# Allegro board LAY-27392_C.brd (continued)
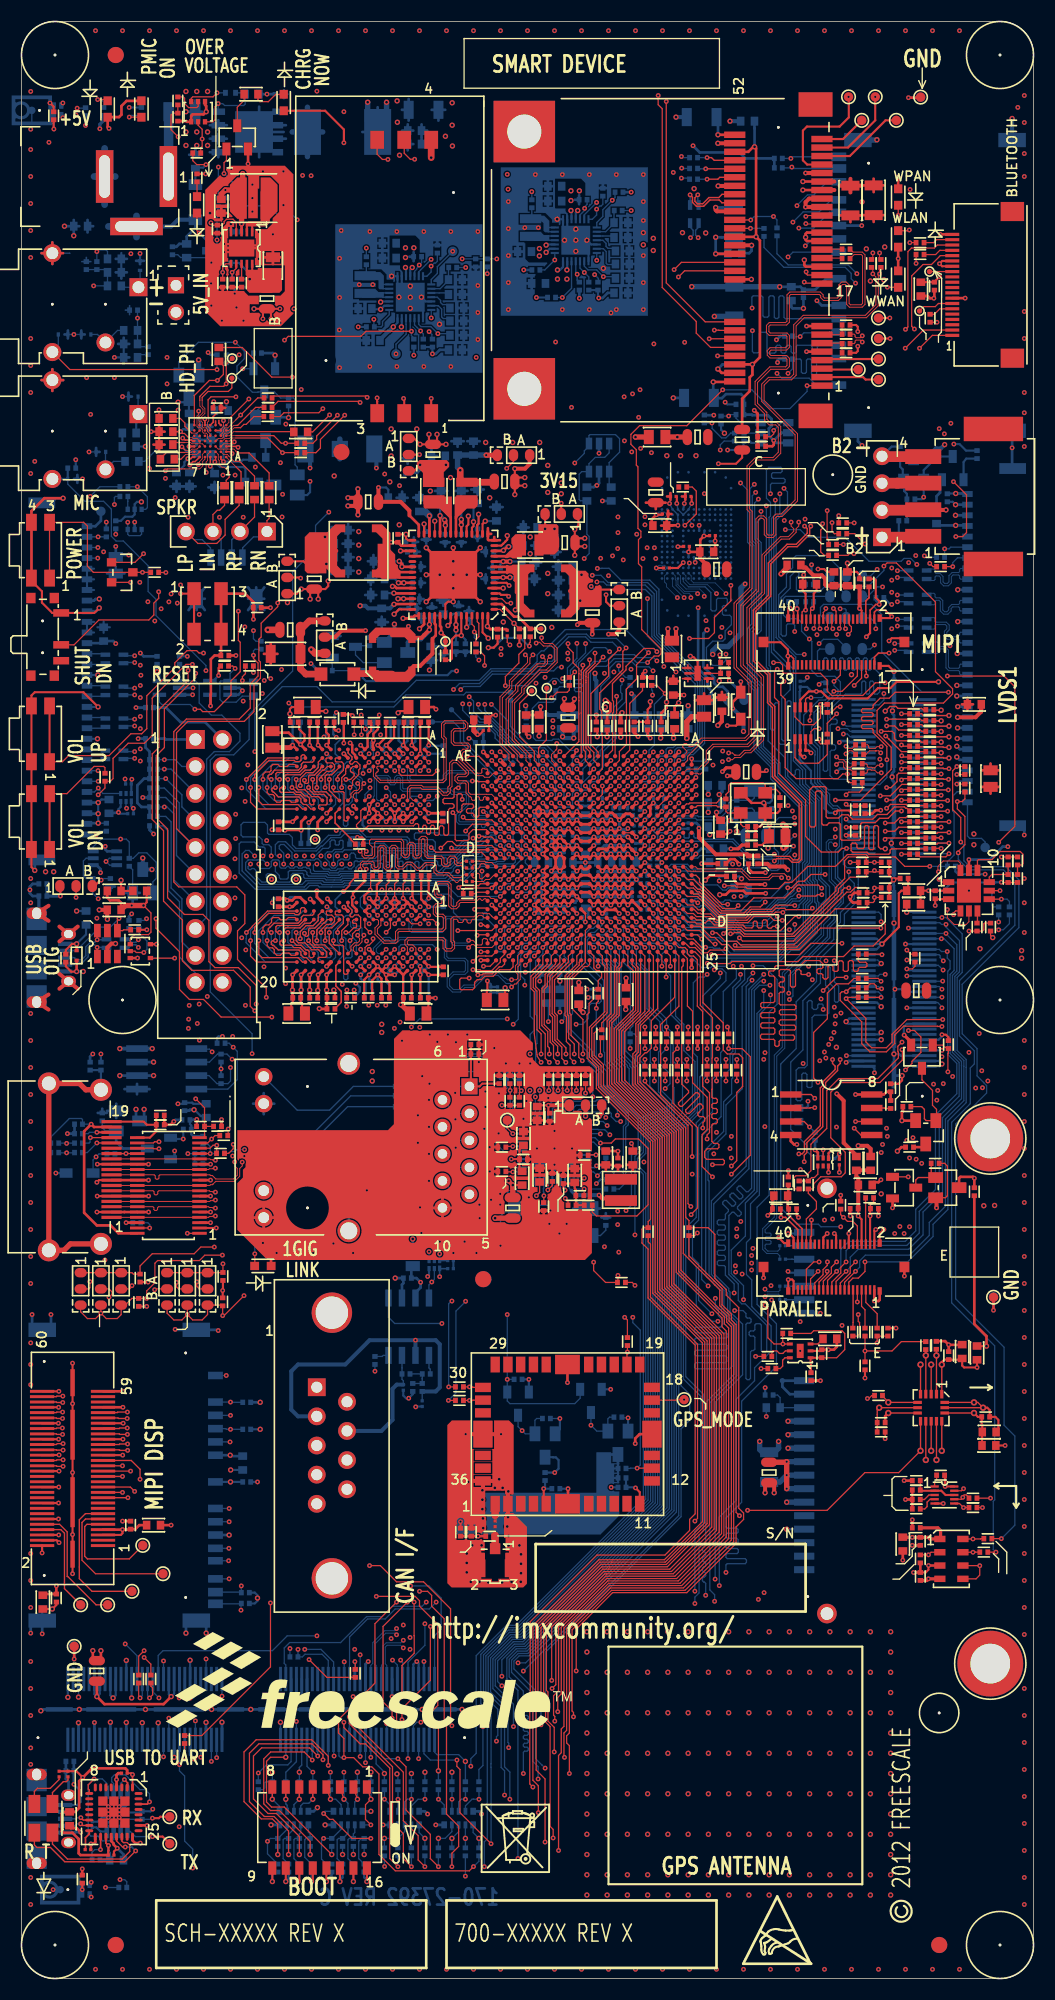
[diagram p0: board, top side]
## Library data of the parts (continued)
R501 = RES: signal model: DEFAULT_RESISTOR_820OHM_2_1
R504 R506 R509 = RES: signal model: DEFAULT_RESISTOR_330OHM_2_1
R505 = RES: signal model: DEFAULT_RESISTOR_2700OHM_2_1
R507 R640-R642 = RES: signal model: DEFAULT_RESISTOR_270OHM_2_1
R525 R552 = RES: signal model: DEFAULT_RESISTOR_20OHM_2_1
R527 R528 = RES: signal model: DEFAULT_RESISTOR_3000OHM_2_1
R529 R545 R571 R572 R643 = RES: signal model: DEFAULT_RESISTOR_200000OHM_2_1
R530 R531 = RES: signal model: DEFAULT_RESISTOR_604OHM_2_1
R540 R601 R620 R630 R658 R677 = RES: signal model: DEFAULT_RESISTOR_100OHM_2_1
R562 R567 = RES: signal model: DEFAULT_RESISTOR_100000OHM_2_1; room: USB_CON
R563 = RES: signal model: DEFAULT_RESISTOR_0.001OHM_2_1; room: RGMII_PHY
R564 = RES: signal model: DEFAULT_RESISTOR_2200OHM_2_1
R576 = RES: signal model: DEFAULT_RESISTOR_16200OHM_2_1
R602 R635 = RES: signal model: DEFAULT_RESISTOR_10000OHM_2_1; room: KEYPAD
R619 = RES: signal model: DEFAULT_RESISTOR_191OHM_2_1
R623 R624 = RES: signal model: DEFAULT_RESISTOR_68000OHM_2_1
R654 = RES: signal model: DEFAULT_RESISTOR_4700OHM_2_1; room: RGMII_PHY
R655 = RES: signal model: DEFAULT_RESISTOR_27000OHM_2_1
R657 = RES: signal model: DEFAULT_RESISTOR_1500OHM_2_1; room: RGMII_PHY
R663 R665 = RES: signal model: DEFAULT_RESISTOR_30OHM_2_1
R678-R693 R695-R710 = RES: signal model: DEFAULT_RESISTOR_4700OHM_2_1; room: ETM
RN500-RN503 = NETW_B8_10P: signal model: NETW_B8_10P_RCA_8_10_DISCRETE_4_10K
RT500 RT501 = THERMISTOR: signal model: DEFAULT_RESISTOR_10000OHM_2_1
SH1-SH3 SH5 SH7-SH9 SH11 SH15-SH17 SH22 SH24-SH26 SH503 = RES_SHORT-2: signal model: RES_SHORT-2_SH0805_40_DISCRETE__SOLDER_SHORT
SH4 SH6 SH10 SH12-SH14 SH23 = RES_SHORT-3_1TO2: Tolerance: X; User Part Number: 470-80018; signal model: RES_SHORT-3_1TO2_SH0603-X2_PIN1_0
SH18-SH21 SH500-SH502 SH504-SH506 = RES_SHORT-2: signal model: DEFAULT_RESISTOR_0.001OHM_2_1
SW1 SW4 SW5 = EDGE_MOUNT_PB_SW_2
SW2 = SW_TACT-SPST-2_SM
SW3 = SW3_RA_SLIDE
SW6 = SW_DIP_8
T1-T75 TP10 TP11 TP13-TP17 TP29-TP32 TP505 TP507 TP509 TP510 = TESTLOOP
TP1-TP9 TP12 TP19-TP26 TP500-TP504 TP506 TP508 = Test pad
TP18 = Test pad: room: CODEC
TP27 TP28 = Test pad: room: ATLAS-AP
TVS1 TVS500-TVS505 = DIODE_TVS_BIDIR
U1 = PCIMX6Q6VV1A
U2-U5 = 2G_DDR3_SDRAM_128MX16_96P
U6 = MAX8815A_TDFN_10P
U7 = WM8962_BGA_49P_CUST
U8 = MMPF0100NPEP_56P
U9 = LTC3025: room: SNVS_BK_PS
U10 = TXB0102
U11 = MAX11801_TQFN_12P
U12 = SRV05-4
U13 = 1G126
U14 = M25P32
U15 U514 U517 = NLSV1T34
U16 = CM2020_TSSOP_38P
U17 = ISL29023
U18 = MMA8451Q_16P_A
U19 = MODULE_AH-1613
U20 = MAG3112_DFN_10P
U21 = PPL3115A2_LGA_8P
U22 = FT232RQ
U501 U521 = ADMP421_LGA5
U502 U503 = MAX8903A_TQFN_28P
U507 U513 = 1G125
U508 = FDC6331L
U509 = FDC6321C
U510 = NC7WZ17
U512 = SDIN5C2_TFBGA_169P
U515 = MIC2526_8P
U516 = AR8031_QFN48
U518 = TJA1040T_SO_8P
U519 = SN74LVC2G126DCTR
Y1 = XTAL_13Y_A
Y500 = XTAL_13Y

## Footprints (pads in the part's own frame, mm; a bottom-side part is the same pattern mirrored in y, then rotated)
0201_CC
  rect 0.305x0.305 smd: 1(-0.267,0) 2(0.267,0)
0402_CC
  rect 0.457x0.508 smd: 1(-0.375,0) 2(0.375,0)
0603_CC
  rect 0.711x0.838 smd: 1(-0.65,0) 2(0.65,0)
0805_CC
  rect 0.94x1.346 smd: 1(-0.78,0) 2(0.78,0)
1206_CC
  rect 0.94x1.702 smd: 1(-1.4,0) 2(1.4,0)
BGA49_0P5_3P62X4
  round 0.254 smd: A1(-1.5,1.5) A2(-1,1.5) A3(-0.5,1.5) A4(0,1.5) A5(0.5,1.5) A6(1,1.5) A7(1.5,1.5) B1(-1.5,1) B2(-1,1) B3(-0.5,1) B4(0,1) B5(0.5,1) B6(1,1) B7(1.5,1) C1(-1.5,0.5) C2(-1,0.5) C3(-0.5,0.5) C4(0,0.5) C5(0.5,0.5) C6(1,0.5) C7(1.5,0.5) D1(-1.5,0) D2(-1,0) D3(-0.5,0) D4(0,0) D5(0.5,0) D6(1,0) D7(1.5,0) E1(-1.5,-0.5) E2(-1,-0.5) E3(-0.5,-0.5) E4(0,-0.5) E5(0.5,-0.5) E6(1,-0.5) E7(1.5,-0.5) F1(-1.5,-1) F2(-1,-1) F3(-0.5,-1) F4(0,-1) F5(0.5,-1) F6(1,-1) F7(1.5,-1) G1(-1.5,-1.5) G2(-1,-1.5) G3(-0.5,-1.5) G4(0,-1.5) G5(0.5,-1.5) G6(1,-1.5) G7(1.5,-1.5)
BGA96_0P8_8P15X14P15
  round 0.356 smd: A1(-3.2,6) A2(-2.4,6) A3(-1.6,6) A7(1.6,6) A8(2.4,6) A9(3.2,6) B1(-3.2,5.2) B2(-2.4,5.2) B3(-1.6,5.2) B7(1.6,5.2) B8(2.4,5.2) B9(3.2,5.2) C1(-3.2,4.4) C2(-2.4,4.4) C3(-1.6,4.4) C7(1.6,4.4) C8(2.4,4.4) C9(3.2,4.4) D1(-3.2,3.6) D2(-2.4,3.6) D3(-1.6,3.6) D7(1.6,3.6) D8(2.4,3.6) D9(3.2,3.6) E1(-3.2,2.8) E2(-2.4,2.8) E3(-1.6,2.8) E7(1.6,2.8) E8(2.4,2.8) E9(3.2,2.8) F1(-3.2,2) F2(-2.4,2) F3(-1.6,2) F7(1.6,2) F8(2.4,2) F9(3.2,2) G1(-3.2,1.2) G2(-2.4,1.2) G3(-1.6,1.2) G7(1.6,1.2) G8(2.4,1.2) G9(3.2,1.2) H1(-3.2,0.4) H2(-2.4,0.4) H3(-1.6,0.4) H7(1.6,0.4) H8(2.4,0.4) H9(3.2,0.4) J1(-3.2,-0.4) J2(-2.4,-0.4) J3(-1.6,-0.4) J7(1.6,-0.4) J8(2.4,-0.4) J9(3.2,-0.4) K1(-3.2,-1.2) K2(-2.4,-1.2) K3(-1.6,-1.2) K7(1.6,-1.2) K8(2.4,-1.2) K9(3.2,-1.2) L1(-3.2,-2) L2(-2.4,-2) L3(-1.6,-2) L7(1.6,-2) L8(2.4,-2) L9(3.2,-2) M1(-3.2,-2.8) M2(-2.4,-2.8) M3(-1.6,-2.8) M7(1.6,-2.8) M8(2.4,-2.8) M9(3.2,-2.8) N1(-3.2,-3.6) N2(-2.4,-3.6) N3(-1.6,-3.6) N7(1.6,-3.6) N8(2.4,-3.6) N9(3.2,-3.6) P1(-3.2,-4.4) P2(-2.4,-4.4) P3(-1.6,-4.4) P7(1.6,-4.4) P8(2.4,-4.4) P9(3.2,-4.4) R1(-3.2,-5.2) R2(-2.4,-5.2) R3(-1.6,-5.2) R7(1.6,-5.2) R8(2.4,-5.2) R9(3.2,-5.2) T1(-3.2,-6) T2(-2.4,-6) T3(-1.6,-6) T7(1.6,-6) T8(2.4,-6) T9(3.2,-6)
BGA169_0P5_12X16
  round 0.254 smd: A4(-1.75,6.75) A6(-0.75,6.75) A9(0.75,6.75) A11(1.75,6.75) AA1(-3.25,-3.25) AA2(-2.75,-3.25) AA3(-2.25,-3.25) AA4(-1.75,-3.25) AA5(-1.25,-3.25) AA6(-0.75,-3.25) AA7(-0.25,-3.25) AA8(0.25,-3.25) AA9(0.75,-3.25) AA10(1.25,-3.25) AA11(1.75,-3.25) AA12(2.25,-3.25) AA13(2.75,-3.25) AA14(3.25,-3.25) AE1(-3.25,-5.25) AE14(3.25,-5.25) AG2(-2.75,-6.25) AG13(2.75,-6.25) AH4(-1.75,-6.75) AH6(-0.75,-6.75) AH9(0.75,-6.75) AH11(1.75,-6.75) B2(-2.75,6.25) B13(2.75,6.25) D1(-3.25,5.25) D14(3.25,5.25) H1(-3.25,3.25) H2(-2.75,3.25) H3(-2.25,3.25) H4(-1.75,3.25) H5(-1.25,3.25) H6(-0.75,3.25) H7(-0.25,3.25) H8(0.25,3.25) H9(0.75,3.25) H10(1.25,3.25) H11(1.75,3.25) H12(2.25,3.25) H13(2.75,3.25) H14(3.25,3.25) J1(-3.25,2.75) J2(-2.75,2.75) J3(-2.25,2.75) J4(-1.75,2.75) J5(-1.25,2.75) J6(-0.75,2.75) J7(-0.25,2.75) J8(0.25,2.75) J9(0.75,2.75) J10(1.25,2.75) J11(1.75,2.75) J12(2.25,2.75) J13(2.75,2.75) J14(3.25,2.75) K1(-3.25,2.25) K2(-2.75,2.25) K3(-2.25,2.25) K4(-1.75,2.25) K5(-1.25,2.25) K6(-0.75,2.25) K7(-0.25,2.25) K8(0.25,2.25) K9(0.75,2.25) K10(1.25,2.25) K11(1.75,2.25) K12(2.25,2.25) K13(2.75,2.25) K14(3.25,2.25) L1(-3.25,1.75) L2(-2.75,1.75) L3(-2.25,1.75) L4(-1.75,1.75) L12(2.25,1.75) L13(2.75,1.75) L14(3.25,1.75) M1(-3.25,1.25) M2(-2.75,1.25) M3(-2.25,1.25) M5(-1.25,1.25) M6(-0.75,1.25) M7(-0.25,1.25) M8(0.25,1.25) M9(0.75,1.25) M10(1.25,1.25) M12(2.25,1.25) M13(2.75,1.25) M14(3.25,1.25) N1(-3.25,0.75) N2(-2.75,0.75) N3(-2.25,0.75) N5(-1.25,0.75) N10(1.25,0.75) N12(2.25,0.75) N13(2.75,0.75) N14(3.25,0.75) P1(-3.25,0.25) P2(-2.75,0.25) P3(-2.25,0.25) P5(-1.25,0.25) P10(1.25,0.25) P12(2.25,0.25) P13(2.75,0.25) P14(3.25,0.25) R1(-3.25,-0.25) R2(-2.75,-0.25) R3(-2.25,-0.25) R5(-1.25,-0.25) R10(1.25,-0.25) R12(2.25,-0.25) R13(2.75,-0.25) R14(3.25,-0.25) T1(-3.25,-0.75) T2(-2.75,-0.75) T3(-2.25,-0.75) T5(-1.25,-0.75) T10(1.25,-0.75) T12(2.25,-0.75) T13(2.75,-0.75) T14(3.25,-0.75) U1(-3.25,-1.25) U2(-2.75,-1.25) U3(-2.25,-1.25) U5(-1.25,-1.25) U6(-0.75,-1.25) U7(-0.25,-1.25) U8(0.25,-1.25) U9(0.75,-1.25) U10(1.25,-1.25) U12(2.25,-1.25) U13(2.75,-1.25) U14(3.25,-1.25) V1(-3.25,-1.75) V2(-2.75,-1.75) V3(-2.25,-1.75) V12(2.25,-1.75) V13(2.75,-1.75) V14(3.25,-1.75) W1(-3.25,-2.25) W2(-2.75,-2.25) W3(-2.25,-2.25) W4(-1.75,-2.25) W5(-1.25,-2.25) W6(-0.75,-2.25) W7(-0.25,-2.25) W8(0.25,-2.25) W9(0.75,-2.25) W10(1.25,-2.25) W11(1.75,-2.25) W12(2.25,-2.25) W13(2.75,-2.25) W14(3.25,-2.25) Y1(-3.25,-2.75) Y2(-2.75,-2.75) Y3(-2.25,-2.75) Y4(-1.75,-2.75) Y5(-1.25,-2.75) Y6(-0.75,-2.75) Y7(-0.25,-2.75) Y8(0.25,-2.75) Y9(0.75,-2.75) Y10(1.25,-2.75) Y11(1.75,-2.75) Y12(2.25,-2.75) Y13(2.75,-2.75) Y14(3.25,-2.75)
BGA624_0P8_21X21
  round 0.406 smd: A2(-8.8,9.6) A3(-8,9.6) A4(-7.2,9.6) A5(-6.4,9.6) A6(-5.6,9.6) A7(-4.8,9.6) A8(-4,9.6) A9(-3.2,9.6) A10(-2.4,9.6) A11(-1.6,9.6) A12(-0.8,9.6) A13(0,9.6) A14(0.8,9.6) A15(1.6,9.6) A16(2.4,9.6) A17(3.2,9.6) A18(4,9.6) A19(4.8,9.6) A20(5.6,9.6) A21(6.4,9.6) A22(7.2,9.6) A23(8,9.6) A24(8.8,9.6) A25(9.6,9.6) AA1(-9.6,-6.4) AA2(-8.8,-6.4) AA3(-8,-6.4) AA4(-7.2,-6.4) AA5(-6.4,-6.4) AA6(-5.6,-6.4) AA7(-4.8,-6.4) AA8(-4,-6.4) AA9(-3.2,-6.4) AA10(-2.4,-6.4) AA11(-1.6,-6.4) AA12(-0.8,-6.4) AA13(0,-6.4) AA14(0.8,-6.4) AA15(1.6,-6.4) AA16(2.4,-6.4) AA17(3.2,-6.4) AA18(4,-6.4) AA19(4.8,-6.4) AA20(5.6,-6.4) AA21(6.4,-6.4) AA22(7.2,-6.4) AA23(8,-6.4) AA24(8.8,-6.4) AA25(9.6,-6.4) AB1(-9.6,-7.2) AB2(-8.8,-7.2) AB3(-8,-7.2) AB4(-7.2,-7.2) AB5(-6.4,-7.2) AB6(-5.6,-7.2) AB7(-4.8,-7.2) AB8(-4,-7.2) AB9(-3.2,-7.2) AB10(-2.4,-7.2) AB11(-1.6,-7.2) AB12(-0.8,-7.2) AB13(0,-7.2) AB14(0.8,-7.2) AB15(1.6,-7.2) AB16(2.4,-7.2) AB17(3.2,-7.2) AB18(4,-7.2) AB19(4.8,-7.2) AB20(5.6,-7.2) AB21(6.4,-7.2) AB22(7.2,-7.2) AB23(8,-7.2) AB24(8.8,-7.2) AB25(9.6,-7.2) AC1(-9.6,-8) AC2(-8.8,-8) AC3(-8,-8) AC4(-7.2,-8) AC5(-6.4,-8) AC6(-5.6,-8) AC7(-4.8,-8) AC8(-4,-8) AC9(-3.2,-8) AC10(-2.4,-8) AC11(-1.6,-8) AC12(-0.8,-8) AC13(0,-8) AC14(0.8,-8) AC15(1.6,-8) AC16(2.4,-8) AC17(3.2,-8) AC18(4,-8) AC19(4.8,-8) AC20(5.6,-8) AC21(6.4,-8) AC22(7.2,-8) AC23(8,-8) AC24(8.8,-8) AC25(9.6,-8) AD1(-9.6,-8.8) AD2(-8.8,-8.8) AD3(-8,-8.8) AD4(-7.2,-8.8) AD5(-6.4,-8.8) AD6(-5.6,-8.8) AD7(-4.8,-8.8) AD8(-4,-8.8) AD9(-3.2,-8.8) AD10(-2.4,-8.8) AD11(-1.6,-8.8) AD12(-0.8,-8.8) AD13(0,-8.8) AD14(0.8,-8.8) AD15(1.6,-8.8) AD16(2.4,-8.8) AD17(3.2,-8.8) AD18(4,-8.8) AD19(4.8,-8.8) AD20(5.6,-8.8) AD21(6.4,-8.8) AD22(7.2,-8.8) AD23(8,-8.8) AD24(8.8,-8.8) AD25(9.6,-8.8) AE1(-9.6,-9.6) AE2(-8.8,-9.6) AE3(-8,-9.6) AE4(-7.2,-9.6) AE5(-6.4,-9.6) AE6(-5.6,-9.6) AE7(-4.8,-9.6) AE8(-4,-9.6) AE9(-3.2,-9.6) AE10(-2.4,-9.6) AE11(-1.6,-9.6) AE12(-0.8,-9.6) AE13(0,-9.6) AE14(0.8,-9.6) AE15(1.6,-9.6) AE16(2.4,-9.6) AE17(3.2,-9.6) AE18(4,-9.6) AE19(4.8,-9.6) AE20(5.6,-9.6) AE21(6.4,-9.6) AE22(7.2,-9.6) AE23(8,-9.6) AE24(8.8,-9.6) AE25(9.6,-9.6) B1(-9.6,8.8) B2(-8.8,8.8) B3(-8,8.8) B4(-7.2,8.8) B5(-6.4,8.8) B6(-5.6,8.8) B7(-4.8,8.8) B8(-4,8.8) B9(-3.2,8.8) B10(-2.4,8.8) B11(-1.6,8.8) B12(-0.8,8.8) B13(0,8.8) B14(0.8,8.8) B15(1.6,8.8) B16(2.4,8.8) B17(3.2,8.8) B18(4,8.8) B19(4.8,8.8) B20(5.6,8.8) B21(6.4,8.8) B22(7.2,8.8) B23(8,8.8) B24(8.8,8.8) B25(9.6,8.8) C1(-9.6,8) C2(-8.8,8) C3(-8,8) C4(-7.2,8) C5(-6.4,8) C6(-5.6,8) C7(-4.8,8) C8(-4,8) C9(-3.2,8) C10(-2.4,8) C11(-1.6,8) C12(-0.8,8) C13(0,8) C14(0.8,8) C15(1.6,8) C16(2.4,8) C17(3.2,8) C18(4,8) C19(4.8,8) C20(5.6,8) C21(6.4,8) C22(7.2,8) C23(8,8) C24(8.8,8) C25(9.6,8) D1(-9.6,7.2) D2(-8.8,7.2) D3(-8,7.2) D4(-7.2,7.2) D5(-6.4,7.2) D6(-5.6,7.2) D7(-4.8,7.2) D8(-4,7.2) D9(-3.2,7.2) D10(-2.4,7.2) D11(-1.6,7.2) D12(-0.8,7.2) D13(0,7.2) D14(0.8,7.2) D15(1.6,7.2) D16(2.4,7.2) D17(3.2,7.2) D18(4,7.2) D19(4.8,7.2) D20(5.6,7.2) D21(6.4,7.2) D22(7.2,7.2) D23(8,7.2) D24(8.8,7.2) D25(9.6,7.2) E1(-9.6,6.4) E2(-8.8,6.4) E3(-8,6.4) E4(-7.2,6.4) E5(-6.4,6.4) E6(-5.6,6.4) E7(-4.8,6.4) E8(-4,6.4) E9(-3.2,6.4) E10(-2.4,6.4) E11(-1.6,6.4) E12(-0.8,6.4) E13(0,6.4) E14(0.8,6.4) E15(1.6,6.4) E16(2.4,6.4) E17(3.2,6.4) E18(4,6.4) E19(4.8,6.4) E20(5.6,6.4) E21(6.4,6.4) E22(7.2,6.4) E23(8,6.4) E24(8.8,6.4) E25(9.6,6.4) F1(-9.6,5.6) F2(-8.8,5.6) F3(-8,5.6) F4(-7.2,5.6) F5(-6.4,5.6) F6(-5.6,5.6) F7(-4.8,5.6) F8(-4,5.6) F9(-3.2,5.6) F10(-2.4,5.6) F11(-1.6,5.6) F12(-0.8,5.6) F13(0,5.6) F14(0.8,5.6) F15(1.6,5.6) F16(2.4,5.6) F17(3.2,5.6) F18(4,5.6) F19(4.8,5.6) F20(5.6,5.6) F21(6.4,5.6) F22(7.2,5.6) F23(8,5.6) F24(8.8,5.6) F25(9.6,5.6) G1(-9.6,4.8) G2(-8.8,4.8) G3(-8,4.8) G4(-7.2,4.8) G5(-6.4,4.8) G6(-5.6,4.8) G7(-4.8,4.8) G8(-4,4.8) G9(-3.2,4.8) G10(-2.4,4.8) G11(-1.6,4.8) G12(-0.8,4.8) G13(0,4.8) G14(0.8,4.8) G15(1.6,4.8) G16(2.4,4.8) G17(3.2,4.8) G18(4,4.8) G19(4.8,4.8) G20(5.6,4.8) G21(6.4,4.8) G22(7.2,4.8) G23(8,4.8) G24(8.8,4.8) G25(9.6,4.8) H1(-9.6,4) H2(-8.8,4) H3(-8,4) H4(-7.2,4) H5(-6.4,4) H6(-5.6,4) H7(-4.8,4) H8(-4,4) H9(-3.2,4) H10(-2.4,4) H11(-1.6,4) H12(-0.8,4) H13(0,4) H14(0.8,4) H15(1.6,4) H16(2.4,4) H17(3.2,4) H18(4,4) H19(4.8,4) H20(5.6,4) H21(6.4,4) H22(7.2,4) H23(8,4) H24(8.8,4) H25(9.6,4) J1(-9.6,3.2) J2(-8.8,3.2) J3(-8,3.2) J4(-7.2,3.2) J5(-6.4,3.2) J6(-5.6,3.2) J7(-4.8,3.2) J8(-4,3.2) J9(-3.2,3.2) J10(-2.4,3.2) J11(-1.6,3.2) J12(-0.8,3.2) J13(0,3.2) J14(0.8,3.2) J15(1.6,3.2) J16(2.4,3.2) J17(3.2,3.2) J18(4,3.2) J19(4.8,3.2) J20(5.6,3.2) J21(6.4,3.2) J22(7.2,3.2) J23(8,3.2) J24(8.8,3.2) J25(9.6,3.2) K1(-9.6,2.4) K2(-8.8,2.4) K3(-8,2.4) K4(-7.2,2.4) K5(-6.4,2.4) K6(-5.6,2.4) K7(-4.8,2.4) K8(-4,2.4) K9(-3.2,2.4) K10(-2.4,2.4) K11(-1.6,2.4) K12(-0.8,2.4) K13(0,2.4) K14(0.8,2.4) K15(1.6,2.4) K16(2.4,2.4) K17(3.2,2.4) K18(4,2.4) K19(4.8,2.4) K20(5.6,2.4) K21(6.4,2.4) K22(7.2,2.4) K23(8,2.4) K24(8.8,2.4) K25(9.6,2.4) L1(-9.6,1.6) L2(-8.8,1.6) L3(-8,1.6) L4(-7.2,1.6) L5(-6.4,1.6) L6(-5.6,1.6) L7(-4.8,1.6) L8(-4,1.6) L9(-3.2,1.6) L10(-2.4,1.6) L11(-1.6,1.6) L12(-0.8,1.6) L13(0,1.6) L14(0.8,1.6) L15(1.6,1.6) L16(2.4,1.6) L17(3.2,1.6) L18(4,1.6) L19(4.8,1.6) L20(5.6,1.6) L21(6.4,1.6) L22(7.2,1.6) L23(8,1.6) L24(8.8,1.6) L25(9.6,1.6) M1(-9.6,0.8) M2(-8.8,0.8) M3(-8,0.8) M4(-7.2,0.8) M5(-6.4,0.8) M6(-5.6,0.8) M7(-4.8,0.8) M8(-4,0.8) M9(-3.2,0.8) M10(-2.4,0.8) M11(-1.6,0.8) M12(-0.8,0.8) M13(0,0.8) M14(0.8,0.8) M15(1.6,0.8) M16(2.4,0.8) M17(3.2,0.8) M18(4,0.8) M19(4.8,0.8) M20(5.6,0.8) M21(6.4,0.8) M22(7.2,0.8) M23(8,0.8) M24(8.8,0.8) M25(9.6,0.8) N1(-9.6,0) N2(-8.8,0) N3(-8,0) N4(-7.2,0) N5(-6.4,0) N6(-5.6,0) N7(-4.8,0) N8(-4,0) N9(-3.2,0) N10(-2.4,0) N11(-1.6,0) N12(-0.8,0) N13(0,0) N14(0.8,0) N15(1.6,0) N16(2.4,0) N17(3.2,0) N18(4,0) N19(4.8,0) N20(5.6,0) N21(6.4,0) N22(7.2,0) N23(8,0) N24(8.8,0) N25(9.6,0) P1(-9.6,-0.8) P2(-8.8,-0.8) P3(-8,-0.8) P4(-7.2,-0.8) P5(-6.4,-0.8) P6(-5.6,-0.8) P7(-4.8,-0.8) P8(-4,-0.8) P9(-3.2,-0.8) P10(-2.4,-0.8) P11(-1.6,-0.8) P12(-0.8,-0.8) P13(0,-0.8) P14(0.8,-0.8) P15(1.6,-0.8) P16(2.4,-0.8) P17(3.2,-0.8) P18(4,-0.8) P19(4.8,-0.8) P20(5.6,-0.8) P21(6.4,-0.8) P22(7.2,-0.8) P23(8,-0.8) P24(8.8,-0.8) P25(9.6,-0.8) R1(-9.6,-1.6) R2(-8.8,-1.6) R3(-8,-1.6) R4(-7.2,-1.6) R5(-6.4,-1.6) R6(-5.6,-1.6) R7(-4.8,-1.6) R8(-4,-1.6) R9(-3.2,-1.6) R10(-2.4,-1.6) R11(-1.6,-1.6) R12(-0.8,-1.6) R13(0,-1.6) R14(0.8,-1.6) R15(1.6,-1.6) R16(2.4,-1.6) R17(3.2,-1.6) R18(4,-1.6) R19(4.8,-1.6) R20(5.6,-1.6) R21(6.4,-1.6) R22(7.2,-1.6) R23(8,-1.6) R24(8.8,-1.6) R25(9.6,-1.6) T1(-9.6,-2.4) T2(-8.8,-2.4) T3(-8,-2.4) T4(-7.2,-2.4) T5(-6.4,-2.4) T6(-5.6,-2.4) T7(-4.8,-2.4) T8(-4,-2.4) T9(-3.2,-2.4) T10(-2.4,-2.4) T11(-1.6,-2.4) T12(-0.8,-2.4) T13(0,-2.4) T14(0.8,-2.4) T15(1.6,-2.4) T16(2.4,-2.4) T17(3.2,-2.4) T18(4,-2.4) T19(4.8,-2.4) T20(5.6,-2.4) T21(6.4,-2.4) T22(7.2,-2.4) T23(8,-2.4) T24(8.8,-2.4) T25(9.6,-2.4) U1(-9.6,-3.2) U2(-8.8,-3.2) U3(-8,-3.2) U4(-7.2,-3.2) U5(-6.4,-3.2) U6(-5.6,-3.2) U7(-4.8,-3.2) U8(-4,-3.2) U9(-3.2,-3.2) U10(-2.4,-3.2) U11(-1.6,-3.2) U12(-0.8,-3.2) U13(0,-3.2) U14(0.8,-3.2) U15(1.6,-3.2) U16(2.4,-3.2) U17(3.2,-3.2) U18(4,-3.2) U19(4.8,-3.2) U20(5.6,-3.2) U21(6.4,-3.2) U22(7.2,-3.2) U23(8,-3.2) U24(8.8,-3.2) U25(9.6,-3.2) V1(-9.6,-4) V2(-8.8,-4) V3(-8,-4) V4(-7.2,-4) V5(-6.4,-4) V6(-5.6,-4) V7(-4.8,-4) V8(-4,-4) V9(-3.2,-4) V10(-2.4,-4) V11(-1.6,-4) V12(-0.8,-4) V13(0,-4) V14(0.8,-4) V15(1.6,-4) V16(2.4,-4) V17(3.2,-4) V18(4,-4) V19(4.8,-4) V20(5.6,-4) V21(6.4,-4) V22(7.2,-4) V23(8,-4) V24(8.8,-4) V25(9.6,-4) W1(-9.6,-4.8) W2(-8.8,-4.8) W3(-8,-4.8) W4(-7.2,-4.8) W5(-6.4,-4.8) W6(-5.6,-4.8) W7(-4.8,-4.8) W8(-4,-4.8) W9(-3.2,-4.8) W10(-2.4,-4.8) W11(-1.6,-4.8) W12(-0.8,-4.8) W13(0,-4.8) W14(0.8,-4.8) W15(1.6,-4.8) W16(2.4,-4.8) W17(3.2,-4.8) W18(4,-4.8) W19(4.8,-4.8) W20(5.6,-4.8) W21(6.4,-4.8) W22(7.2,-4.8) W23(8,-4.8) W24(8.8,-4.8) W25(9.6,-4.8) Y1(-9.6,-5.6) Y2(-8.8,-5.6) Y3(-8,-5.6) Y4(-7.2,-5.6) Y5(-6.4,-5.6) Y6(-5.6,-5.6) Y7(-4.8,-5.6) Y8(-4,-5.6) Y9(-3.2,-5.6) Y10(-2.4,-5.6) Y11(-1.6,-5.6) Y12(-0.8,-5.6) Y13(0,-5.6) Y14(0.8,-5.6) Y15(1.6,-5.6) Y16(2.4,-5.6) Y17(3.2,-5.6) Y18(4,-5.6) Y19(4.8,-5.6) Y20(5.6,-5.6) Y21(6.4,-5.6) Y22(7.2,-5.6) Y23(8,-5.6) Y24(8.8,-5.6) Y25(9.6,-5.6)
C035S
  round 0.889 smd: 1(0,0)
CON3_VER_SMT
  rect 1.041x0.991 smd: 1(1.525,0)
  rect 2.21x1.041 smd: 2(0,1.475) 3(0,-1.475)
CON5_AUD_JACK_RA_TH_SJ-43514
  round 0.254 hole 1.092 unplated: (-8.1,-1.6) (-3.1,-1.6)
  rect 1.702x1.702 hole 1.118: 1(0,0)
  round 1.702 hole 1.118: 4(-3.1,-5.2) 5(-8.1,3.2) 6(-8.1,-6.1)
CON5_MICROUSB
  rect 1.803x1.905 smd: (-1.15,0) (1.15,0)
  rect 0.406x1.346 smd: 1(-1.3,2.675) 2(-0.65,2.675) 3(0,2.675) 4(0.65,2.675) 5(1.3,2.675)
  oval 1.067x1.397 hole 0.762x0.864: S1(-2.225,3) S2(2.225,3)
  oval 1.092x1.905 hole 1.499x0.838: S3(-4.175,0) S4(4.175,0)
CON19_SDCARD_28X16_SM
  round 0.254 hole 1.422 unplated: (-11.5,6.25) (11.5,6.25)
  rect 0.711x1.397 smd: 1(6.88,9.05) 2(4.38,9.05) 3(1.88,9.05) 4(-0.63,9.05) 5(-3.13,9.05) 6(-5.63,9.05) 7(-8.05,9.05) 8(-9.75,9.05) 9(9.38,9.05) 10(5.63,9.05) 11(3.13,9.05) 12(-4.38,9.05) 13(-6.88,9.05)
  rect 0.813x1.397 smd: 14(-11,9.05) 15(-12.1,9.05)
  rect 1.346x2.591 smd: 16(-13.675,7.25) 17(-13.675,-7.25) 18(13.675,-7.25) 19(13.675,7.25)
CON20_FH28_SM
  rect 1.803x2.21 smd: (-6.9,-2.05) (6.9,-2.05)
  rect 0.305x1.321 smd: 1(-4.75,3.6) 2(-4.25,3.6) 3(-3.75,3.6) 4(-3.25,3.6) 5(-2.75,3.6) 6(-2.25,3.6) 7(-1.75,3.6) 8(-1.25,3.6) 9(-0.75,3.6) 10(-0.25,3.6) 11(0.25,3.6) 12(0.75,3.6) 13(1.25,3.6) 14(1.75,3.6) 15(2.25,3.6) 16(2.75,3.6) 17(3.25,3.6) 18(3.75,3.6) 19(4.25,3.6) 20(4.75,3.6)
CON_2X26_0P8_SMT_A
  rect 2.311x3.2 smd: (-14.65,3.5) (14.65,3.5)
  round 0.254 hole 1.118 unplated: (-12.5,0)
  rect 5.791x5.791 hole 3.2: (-12.1,-23.9) (12.1,-23.9)
  round 0.254 hole 1.6 unplated: (12.5,0)
  rect 0.61x2.007 smd: 1(11.8,4.1) 2(11.4,-4.1) 3(11,4.1) 4(10.6,-4.1) 5(10.2,4.1) 6(9.8,-4.1) 7(9.4,4.1) 8(9,-4.1) 9(8.6,4.1) 10(8.2,-4.1) 11(7.8,4.1) 12(7.4,-4.1) 13(7,4.1) 14(6.6,-4.1) 15(6.2,4.1) 16(5.8,-4.1) 17(2.2,4.1) 18(1.8,-4.1) 19(1.4,4.1) 20(1,-4.1) 21(0.6,4.1) 22(0.2,-4.1) 23(-0.2,4.1) 24(-0.6,-4.1) 25(-1,4.1) 26(-1.4,-4.1) 27(-1.8,4.1) 28(-2.2,-4.1) 29(-2.6,4.1) 30(-3,-4.1) 31(-3.4,4.1) 32(-3.8,-4.1) 33(-4.2,4.1) 34(-4.6,-4.1) 35(-5,4.1) 36(-5.4,-4.1) 37(-5.8,4.1) 38(-6.2,-4.1) 39(-6.6,4.1) 40(-7,-4.1) 41(-7.4,4.1) 42(-7.8,-4.1) 43(-8.2,4.1) 44(-8.6,-4.1) 45(-9,4.1) 46(-9.4,-4.1) 47(-9.8,4.1) 48(-10.2,-4.1) 49(-10.6,4.1) 50(-11,-4.1) 51(-11.4,4.1) 52(-11.8,-4.1)
CON_4M_1MM_SM_RA
  rect 0.61x1.549 smd: 1(-1.5,2.625) 2(-0.5,2.625) 3(0.5,2.625) 4(1.5,2.625)
  rect 1.194x1.803 smd: 5(-2.8,-1.25) 6(2.8,-1.25)
CON_60S_QSH_SM_A
  round 0.254 hole 1.016 unplated: (-10.067,2.667) (10.067,2.667)
  rect 0.279x2.286 smd: 1(-7.256,-2.865) 2(-7.256,2.865) 3(-6.755,-2.865) 4(-6.755,2.865) 5(-6.255,-2.865) 6(-6.255,2.865) 7(-5.754,-2.865) 8(-5.754,2.865) 9(-5.254,-2.865) 10(-5.254,2.865) 11(-4.754,-2.865) 12(-4.754,2.865) 13(-4.253,-2.865) 14(-4.253,2.865) 15(-3.753,-2.865) 16(-3.753,2.865) 17(-3.252,-2.865) 18(-3.252,2.865) 19(-2.752,-2.865) 20(-2.752,2.865) 21(-2.252,-2.865) 22(-2.252,2.865) 23(-1.751,-2.865) 24(-1.751,2.865) 25(-1.251,-2.865) 26(-1.251,2.865) 27(-0.751,-2.865) 28(-0.751,2.865) 29(-0.25,-2.865) 30(-0.25,2.865) 31(0.25,-2.865) 32(0.25,2.865) 33(0.751,-2.865) 34(0.751,2.865) 35(1.251,-2.865) 36(1.251,2.865) 37(1.751,-2.865) 38(1.751,2.865) 39(2.252,-2.865) 40(2.252,2.865) 41(2.752,-2.865) 42(2.752,2.865) 43(3.252,-2.865) 44(3.252,2.865) 45(3.753,-2.865) 46(3.753,2.865) 47(4.253,-2.865) 48(4.253,2.865) 49(4.754,-2.865) 50(4.754,2.865) 51(5.254,-2.865) 52(5.254,2.865) 53(5.754,-2.865) 54(5.754,2.865) 55(6.255,-2.865) 56(6.255,2.865) 57(6.755,-2.865) 58(6.755,2.865) 59(7.256,-2.865) 60(7.256,2.865)
  rect 2.54x0.432 smd: SH1(-8.065,0) SH4(8.065,0)
  rect 4.699x0.432 smd: SH2(-3.175,0) SH3(3.175,0)
CON_120S_QSH_SM_05PITCH
  round 0.254 hole 1.016 unplated: (-20.06,2.66) (20.07,2.66)
  rect 0.279x2.286 smd: 1(-17.25,-2.86) 2(-17.25,2.86) 3(-16.75,-2.86) 4(-16.75,2.86) 5(-16.25,-2.86) 6(-16.25,2.86) 7(-15.75,-2.86) 8(-15.75,2.86) 9(-15.25,-2.86) 10(-15.25,2.86) 11(-14.75,-2.86) 12(-14.75,2.86) 13(-14.25,-2.86) 14(-14.25,2.86) 15(-13.75,-2.86) 16(-13.75,2.86) 17(-13.25,-2.86) 18(-13.25,2.86) 19(-12.75,-2.86) 20(-12.75,2.86) 21(-12.25,-2.86) 22(-12.25,2.86) 23(-11.75,-2.86) 24(-11.75,2.86) 25(-11.25,-2.86) 26(-11.25,2.86) 27(-10.75,-2.86) 28(-10.75,2.86) 29(-10.25,-2.86) 30(-10.25,2.86) 31(-9.75,-2.86) 32(-9.75,2.86) 33(-9.25,-2.86) 34(-9.25,2.86) 35(-8.75,-2.86) 36(-8.75,2.86) 37(-8.25,-2.86) 38(-8.25,2.86) 39(-7.75,-2.86) 40(-7.75,2.86) 41(-7.25,-2.86) 42(-7.25,2.86) 43(-6.75,-2.86) 44(-6.75,2.86) 45(-6.25,-2.86) 46(-6.25,2.86) 47(-5.75,-2.86) 48(-5.75,2.86) 49(-5.25,-2.86) 50(-5.25,2.86) 51(-4.75,-2.86) 52(-4.75,2.86) 53(-4.25,-2.86) 54(-4.25,2.86) 55(-3.75,-2.86) 56(-3.75,2.86) 57(-3.25,-2.86) 58(-3.25,2.86) 59(-2.75,-2.86) 60(-2.75,2.86) 61(2.75,-2.86) 62(2.75,2.86) 63(3.25,-2.86) 64(3.25,2.86) 65(3.75,-2.86) 66(3.75,2.86) 67(4.25,-2.86) 68(4.25,2.86) 69(4.75,-2.86) 70(4.75,2.86) 71(5.25,-2.86) 72(5.25,2.86) 73(5.75,-2.86) 74(5.75,2.86) 75(6.25,-2.86) 76(6.25,2.86) 77(6.75,-2.86) 78(6.75,2.86) 79(7.25,-2.86) 80(7.25,2.86) 81(7.75,-2.86) 82(7.75,2.86) 83(8.25,-2.86) 84(8.25,2.86) 85(8.75,-2.86) 86(8.75,2.86) 87(9.25,-2.86) 88(9.25,2.86) 89(9.75,-2.86) 90(9.75,2.86) 91(10.25,-2.86) 92(10.25,2.86) 93(10.75,-2.86) 94(10.75,2.86) 95(11.25,-2.86) 96(11.25,2.86) 97(11.75,-2.86) 98(11.75,2.86) 99(12.25,-2.86) 100(12.25,2.86) 101(12.75,-2.86) 102(12.75,2.86) 103(13.25,-2.86) 104(13.25,2.86) 105(13.75,-2.86) 106(13.75,2.86) 107(14.25,-2.86) 108(14.25,2.86) 109(14.75,-2.86) 110(14.75,2.86) 111(15.25,-2.86) 112(15.25,2.86) 113(15.75,-2.86) 114(15.75,2.86) 115(16.25,-2.86) 116(16.25,2.86) 117(16.75,-2.86) 118(16.75,2.86) 119(17.25,-2.86) 120(17.25,2.86)
  rect 2.54x0.432 smd: SH1(-18.055,0) SH4(-1.935,0) SH5(1.935,0) SH8(18.055,0)
  rect 4.699x0.432 smd: SH2(-13.17,0) SH3(-6.82,0) SH6(6.82,0) SH7(13.17,0)
CON_BBC_40P_0P4_SM
  rect 0.889x0.229 smd: 1(2.15,3.8) 2(-2.15,3.8) 3(2.15,3.4) 4(-2.15,3.4) 5(2.15,3) 6(-2.15,3) 7(2.15,2.6) 8(-2.15,2.6) 9(2.15,2.2) 10(-2.15,2.2) 11(2.15,1.8) 12(-2.15,1.8) 13(2.15,1.4) 14(-2.15,1.4) 15(2.15,1) 16(-2.15,1) 17(2.15,0.6) 18(-2.15,0.6) 19(2.15,0.2) 20(-2.15,0.2) 21(2.15,-0.2) 22(-2.15,-0.2) 23(2.15,-0.6) 24(-2.15,-0.6) 25(2.15,-1) 26(-2.15,-1) 27(2.15,-1.4) 28(-2.15,-1.4) 29(2.15,-1.8) 30(-2.15,-1.8) 31(2.15,-2.2) 32(-2.15,-2.2) 33(2.15,-2.6) 34(-2.15,-2.6) 35(2.15,-3) 36(-2.15,-3) 37(2.15,-3.4) 38(-2.15,-3.4) 39(2.15,-3.8) 40(-2.15,-3.8)
  rect 0.711x0.406 smd: 41(2.25,4.3) 42(-2.25,4.3) 43(2.25,-4.3) 44(-2.25,-4.3)
  rect 0.991x0.94 smd: 45(0,-6.625) 46(0,6.625)
CON_DB_9F_2P74_TH
  rect 1.676x1.676 hole 1.041: 1(0,0)
  round 1.676 hole 1.041: 2(0,2.743) 3(0,5.486) 4(0,8.23) 5(0,10.973) 6(-2.845,1.372) 7(-2.845,4.115) 8(-2.845,6.858) 9(-2.845,9.601)
  round 3.81 hole 3.048: M1(-1.422,-7.01) M2(-1.422,17.983)
CON_DF_30F_1MM_SM_RA
  rect 0.559x0.991 smd: 1(-14.4,2.5) 2(-13.4,2.5) 3(-12.4,2.5) 4(-11.4,2.5) 5(-10.4,2.5) 6(-9.4,2.5) 7(-8.4,2.5) 8(-7.4,2.5) 9(-6.4,2.5) 10(-5.4,2.5) 11(-4.4,2.5) 12(-3.4,2.5) 13(-2.4,2.5) 14(-1.4,2.5) 15(-0.4,2.5) 16(0.6,2.5) 17(1.6,2.5) 18(2.6,2.5) 19(3.6,2.5) 20(4.6,2.5) 21(5.6,2.5) 22(6.6,2.5) 23(7.6,2.5) 24(8.6,2.5) 25(9.6,2.5) 26(10.6,2.5) 27(11.6,2.5) 28(12.6,2.5) 29(13.6,2.5) 30(14.6,2.5)
  rect 1.016x2.515 smd: S1(-16.8,-1.75) S2(16.8,-1.75)
CON_HDMI_19F_20_SM_RA
  rect 0.305x1.905 smd: 1(4.75,4.925) 2(4.25,4.925) 3(3.75,4.925) 4(3.25,4.925) 5(2.75,4.925) 6(2.25,4.925) 7(1.75,4.925) 8(1.25,4.925) 9(0.75,4.925) 10(0.25,4.925) 11(-0.25,4.925) 12(-0.75,4.925) 13(-1.25,4.925) 14(-1.75,4.925) 15(-2.25,4.925) 16(-2.75,4.925) 17(-3.25,4.925) 18(-3.75,4.925) 19(-4.25,4.925)
  round 2.083 hole 1.321: G1(7.25,3.925) G2(-7.25,3.925) G3(7.85,-0.975) G4(-7.85,-0.975)
CON_RJ45_2X5_TH
  round 0.254 hole 3.251 unplated: (0,-15.24) (11.43,-15.24)
  rect 1.524x1.524 hole 0.889: 1(0,0)
  round 1.524 hole 0.889: 2(2.54,0) 3(5.08,0) 4(7.62,0) 5(10.16,0) 6(1.27,-2.54) 7(3.81,-2.54) 8(6.35,-2.54) 9(8.89,-2.54) 10(11.43,-2.54)
  round 1.651 hole 1.016: 11(-0.914,-19.355) 12(1.626,-19.355) 13(9.804,-19.355) 14(12.344,-19.355)
  round 2.134 hole 1.6: SH1(-2.159,-11.354) SH2(13.589,-11.354)
CON_SATA_22F_50_SM_RA_A
  round 0.254 hole 1.194 unplated: (-18.4,-5)
  round 0.254 hole 0.889 unplated: (18.4,-5)
  round 1.854 hole 1.194: M1(-20,-3.2) M2(20,-3.2)
  rect 0.66x1.905 smd: P1(1.905,-5.34) P2(0.635,-5.34) P3(-0.635,-5.34) P4(-1.905,-5.34) P5(-3.175,-5.34) P6(-4.445,-5.34) P7(-5.715,-5.34) P8(-6.985,-5.34) P9(-8.255,-5.34) P10(-9.525,-5.34) P11(-10.795,-5.34) P12(-12.065,-5.34) P13(-13.335,-5.34) P14(-14.605,-5.34) P15(-15.875,-5.34) S1(15.87,-5.34) S2(14.6,-5.34) S3(13.33,-5.34) S4(12.06,-5.34) S5(10.79,-5.34) S6(9.52,-5.34) S7(8.25,-5.34)
CON_SIM_CD_2P54MM
  round 0.254 hole 1.6 unplated: (-6.19,6)
  round 0.254 hole 1.118 unplated: (9.61,-6)
  rect 1.702x1.295 smd: 1(14.57,3.9) 2(14.57,1.36) 3(14.57,-1.18) 4(-11.15,3.9) 5(-11.15,1.36) 6(-11.15,-1.18)
CON_TB_4F_2P5_9X10P5
  rect 2.311x5.588 smd: (-6.35,-2.301) (6.35,-2.301)
  rect 1.397x3.404 smd: 1(-3.75,4.299) 2(-1.25,4.299) 3(1.25,4.299) 4(3.75,4.299)
DFN6_2X2MM
  rect 0.686x0.254 smd: 1(-0.913,0.5) 2(-0.913,0) 3(-0.913,-0.5) 4(0.913,-0.5) 5(0.913,0) 6(0.913,0.5)
  rect 0.61x1.422 smd: 7(0,0)
